# Altium PCB Copy of proyecto final.PcbDoc
Units mm, origin at the board's own origin, x right, y up, seen from the top; angles counter-clockwise.
Board outline 152.4 x 101.6 mm, 2 copper layers (Top Layer, Bottom Layer); 81 components, 51 nets, 294 pads, 0 vias.
Unrouted connection lines stored in the file: 128.
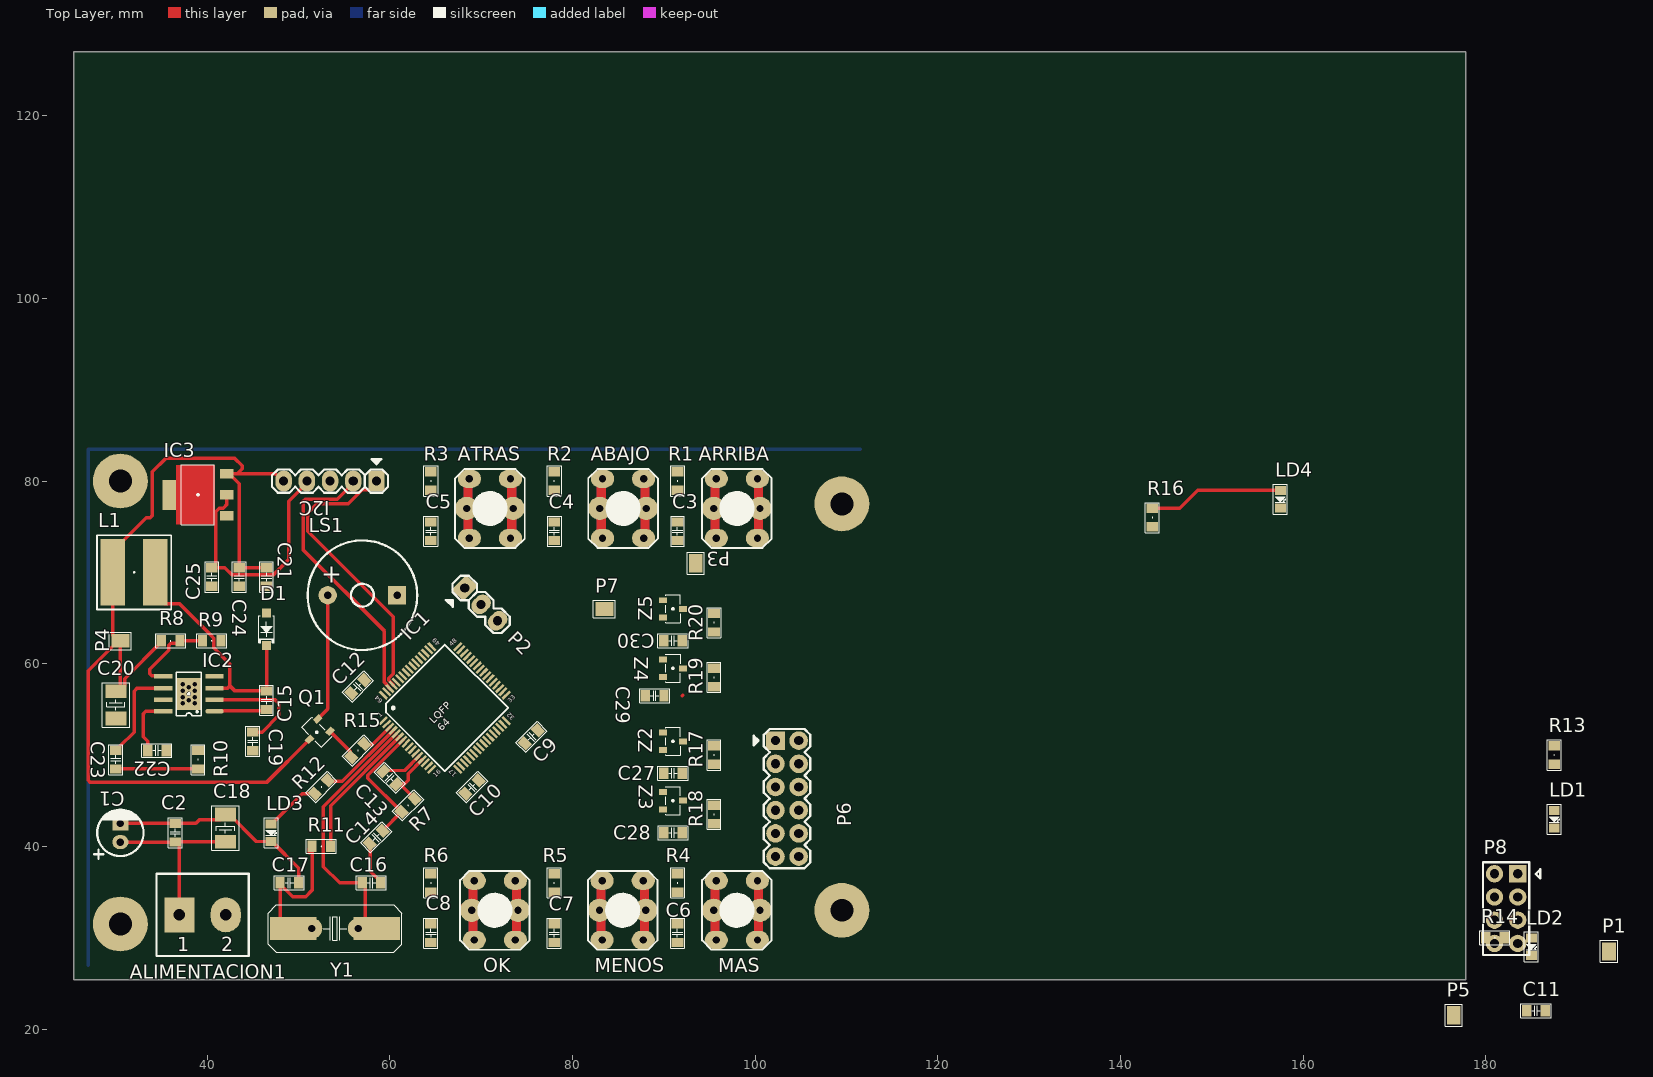
[diagram p0: Top Layer view]
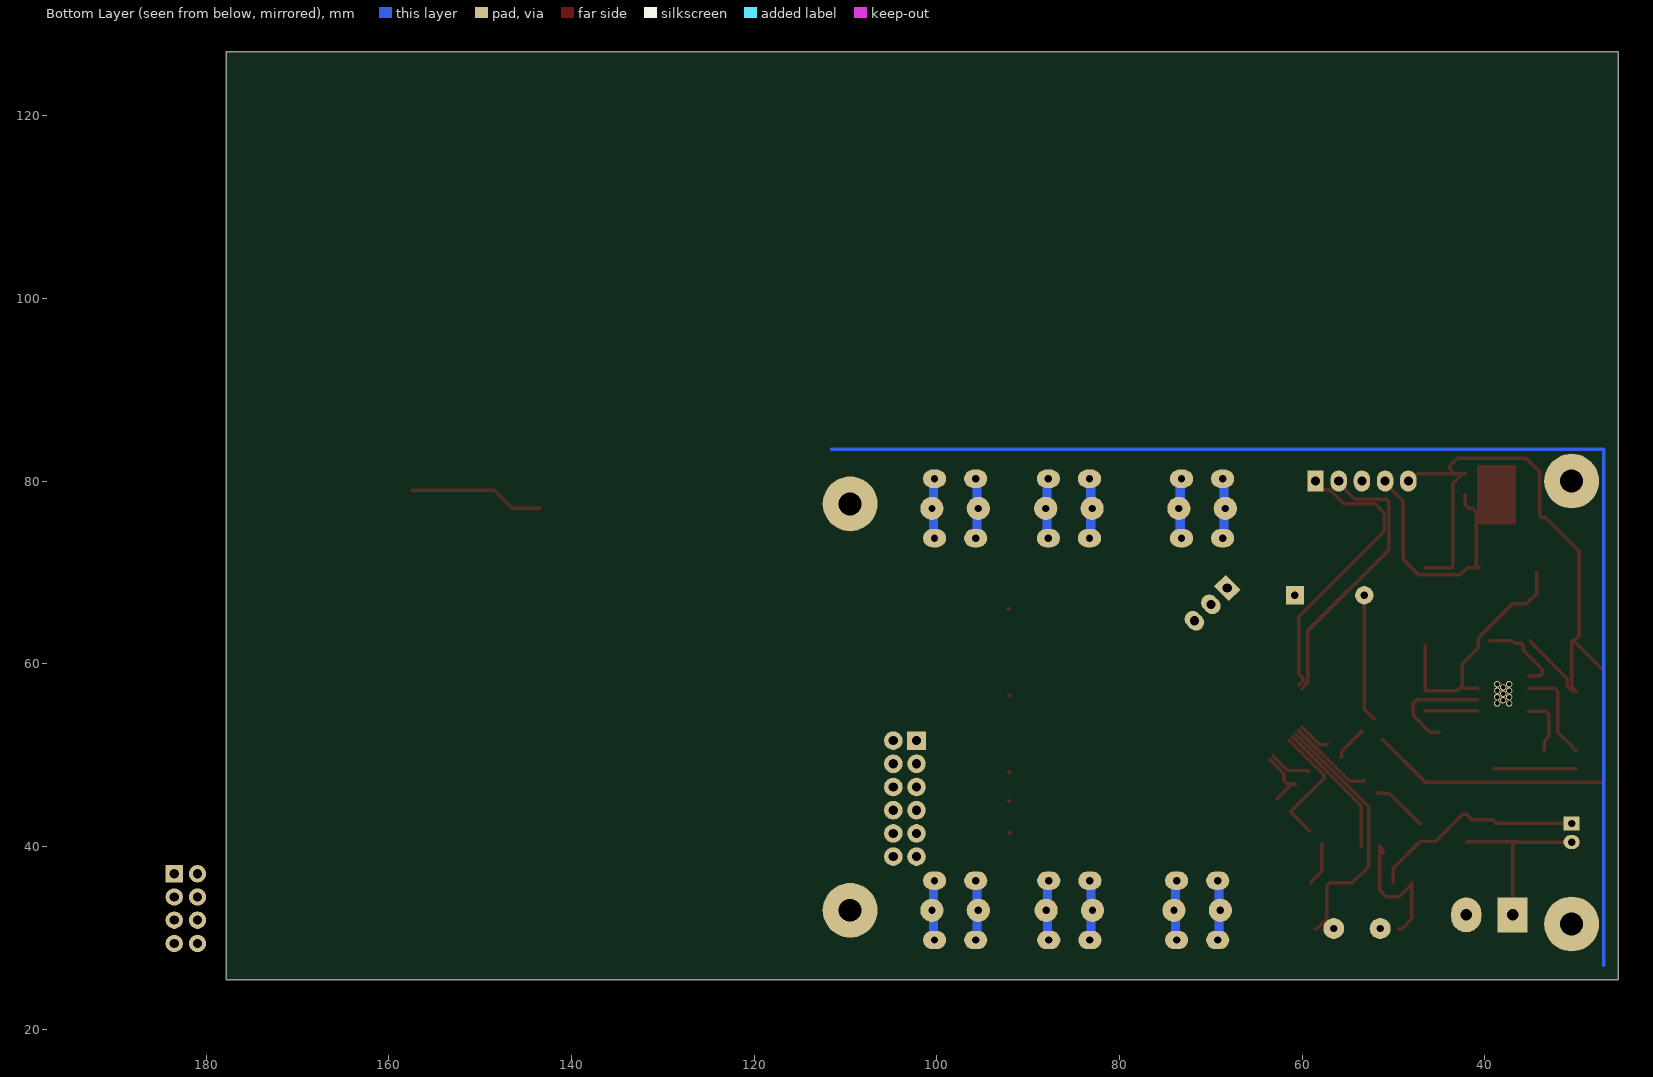
[diagram p1: Bottom Layer view, seen from below]

## Layer stack, top to bottom
Top Solder: solder mask 0.0102, Solder Resist, Dk 3.5
Top Layer: signal copper 0.0356
Dielectric 1: dielectric 0.32, FR-4, Dk 4.8
Bottom Layer: signal copper 0.0356
Bottom Solder: solder mask 0.0102, Solder Resist, Dk 3.5

## Board outline
25.4,25.4 177.8,25.4 177.8,127 25.4,127

## Design rules (kind name [scope] priority, off if disabled: settings)
Clearance [All] p1: gap=0.102 ignorepadtopadclearanceinfootprint=FALSE
PolygonConnect [All] p1: connectstyle=Relief reliefconductorwidth=0.254 reliefentries=4 polygonreliefangle="90 Angle" airgapwidth=0.254
RoomDefinition "proyecto final" [InComponentClass('proyecto final')] p1: confinementstyle=ConfineIn formatcopy=TRUE lockcomponents=FALSE outline 178.943,26.924 262.509,26.924 262.509,42.672 178.943,42.672
RoutingVias [All] p1: holewidth=0.711 width=1.27 viastyle="Through Hole" minholewidth=0.711 minwidth=1.27 maxholewidth=0.711 maxwidth=1.27
SolderMaskExpansion [All] p1: expansion=0.102 istentingtop=FALSE
Width [All] p1: maxlimit=0.381 minlimit=0.254 preferedwidth=0.381 minimp=50.000000 maximp=50.000000 favimp=50.000000
30 further rules are at their usual default settings.

## Components (designator, comment, footprint, x,y, rotation, side; value= is the part's Value field where it differs from the comment)
ABAJO "Switch PCB" "TAC SWITCH 6X6 (5MM)" 85.54,77 r0 top
ALIMENTACION1 "Conector 2 Vias" "CON 2" 39.5,32.5 r0 top
ARRIBA "Switch PCB" "TAC SWITCH 6X6 (5MM)" 98,77 r0 top
ATRAS "Switch PCB" "TAC SWITCH 6X6 (5MM)" 70.96,77 r0 top
C1 "47uF x6.3v" "CAP Pitch 80 - 5x11" 30.5,41.484 r90 top
C2 "__ nF" C-0805 36.5,41.5 r270 top
C3 "100 nF" C-0805 91.5,74.5 r90 top
C4 "100 nF" C-0805 78,74.5 r90 top
C5 "100 nF" C-0805 64.5,74.5 r90 top
C6 "100 nF" C-0805 91.5,30.5 r90 top
C7 "100 nF" C-0805 78,30.5 r90 top
C8 "100 nF" C-0805 64.5,30.5 r90 top
C9 "100 nF" C-0805 75.5,52 r45 top
C10 "100 nF" C-0805 69,46.5 r45 top
C11 "100 nF" C-0805 185.5,22 r0 top
C12 "100 nF" C-0805 56.5,57.5 r225 top
C13 "100 nF" C-0805 60,47.5 r315 top
C14 "100 nF" C-0805 58.5,41 r45 top
C15 "10nF" C-0805 46.5,56 r90 top
C16 "30 pF" C-0805 57.984,36 r0 top
C17 "30 pF" C-0805 49,36 r0 top
C18 "100uF x 25v" C-CASE-B 42,42 r270 top
C19 "100nF" C-0805 45,51.5 r90 top
C20 "100uF x 6.3v" C-CASE-B 30,55.5 r90 top
C21 "100nF" C-0805 46.5,69.5 r90 top
C22 "100nF" C-0805 34.5,50.5 r180 top
C23 "10nF" C-0805 30,49.5 r90 top
C24 "100 uF" C-0805 43.5,69.5 r270 top
C25 "10 uF" C-0805 40.5,69.5 r270 top
C27 "100 nF" C-0805 91,48 r0 top
C28 "100 nF" C-0805 91,41.5 r0 top
C29 "100 nF" C-0805 89,56.5 r0 top
C30 "100 nF" C-0805 91,62.5 r0 top
D1 "SS34FA" SOD-123 46.5,63.778 r90 top
I2C "Conector 5 Vias" HEADER-V-5 58.54,80 r180 top
IC1 "STM32F103RCT6" LQFP-64 66.025,55.157 r45 top
IC2 "MP1593" SOIC-8E 38,56.702 r270 top
IC3 "LM1117MPX-" "SOT-223 TERMICO" 39,78.5 r90 top
L1 "Inductor" "INDUCTOR CDRH6D28NP-100NC" 32,70 r180 top value=100mH
LD1 "LED" LD-0805-AZUL 187.5,42.965 r90 top
LD2 "LED" LD-0805-AZUL 185,29 r90 top
LD3 "LED" LD-0805-AZUL 47,41.5 r90 top
LD4 "LED" LD-0805-AZUL 157.5,78 r90 top
LS1 "Buzzer" BUZZER 57,67.5 r0 top
MAS "Switch PCB" "TAC SWITCH 6X6 (5MM)" 98,33 r0 top
MENOS "Switch PCB" "TAC SWITCH 6X6 (5MM)" 85.5,33 r0 top
OK "Switch PCB" "TAC SWITCH 6X6 (5MM)" 71.5,33 r0 top
P1 "Conector 1 Via" "PAD 1.5x2.5mm" 193.5,28.5 r0 top
P2 "Conector 3 Vias" HEADER-V-3 68.204,68.296 r315 top
P3 "Conector 1 Via" "PAD 1.5x2.5mm" 93.5,71 r180 top
P4 "Conector 1 Via" "PAD 1.5x2.5mm" 30.5,62.5 r90 top
P5 "Conector 1 Via" "PAD 1.5x2.5mm" 176.5,21.5 r0 top
P6 "Header 5X2" "HEADER 6x2" 103.5,46.5 r270 top
P7 "Conector 1 Via" "PAD 1.5x2.5mm" 83.5,66 r90 top
P8 "Header 4X2" "HEADER IDC 8 FEMALE" 183.5,37 r90 top
Q1 "BC817" SOT-23 52,52.5 r45 top
R1 "10K" R-0805 91.5,80 r90 top
R2 "10K" R-0805 78,80 r90 top
R3 "10K" R-0805 64.5,80 r90 top
R4 "10K" R-0805 91.5,36 r90 top
R5 "10K" R-0805 78,36 r90 top
R6 "10K" R-0805 64.5,36 r90 top
R7 "10k" R-0805 62,44.5 r45 top
R8 "47k" R-0805 36,62.5 r180 top
R9 "15k" R-0805 40.5,62.5 r180 top
R10 "6.8k" R-0805 39,49.5 r270 top
R11 "22K" R-0805 52.5,40 r0 top
R12 "220" R-0805 52.5,46.5 r225 top
R13 "220" R-0805 187.5,50 r90 top
R14 "220" R-0805 181,30 r0 top
R15 "3.3K" R-0805 56.5,50.5 r225 top
R16 "220" R-0805 143.5,76 r90 top
R17 "Resistencia" R-0805 95.5,50 r270 top
R18 "Resistencia" R-0805 95.5,43.5 r270 top
R19 "Resistencia" R-0805 95.5,58.5 r90 top
R20 "Resistencia" R-0805 95.5,64.5 r90 top
Y1 "XTAL" "CRISTAL COMBINADO" 54,31 r0 top
Z2 "Zener" SOT-23 91,51.5 r180 top
Z3 "Zener" SOT-23 91,45 r180 top
Z4 "Zener" SOT-23 91,59.5 r180 top
Z5 "Zener" SOT-23 91,66 r180 top

## Footprints (in the part's own frame and the unit in brackets; to place one, negate y for a bottom-side part, rotate by r counter-clockwise, add the part's x,y. Pads: shape width x height; smd on the part's side, far side on the other; paste and mask are expansions set on the pad)
BUZZER [mm]
  round 2 hole 0.8: 1(-3.8,0)
  rect 2x2 hole 0.8: 2(3.8,0)
  silkscreen extent -6,-6 6,6, body extent -6,-5.99 6,5.99, height 7.51
C-0805 [mil]
  rect 40x50 smd: 1(-40,0) 2(40,0)
  silkscreen extent -65,-30 65,30, body extent -39,-25 39,25, height 31
C-CASE-B [mm]
  rect 1.5x2.3 smd: 1(1.5,0) 2(-1.5,0)
  silkscreen extent -2.44,-1.5 2.44,1.5, body extent -2.5,-1.5 2.5,1.5, height 2.11
"CAP Pitch 80 - 5x11" [mil]
  oval 60x70 hole 31.5: 1(-40,0)
  rect 60x70 hole 31.5: 2(40,0)
  silkscreen extent -112,-100 100,114, body extent -97,-98 99,99, height 438
"CON 2" [mm]
  rect 3.302x3.81 hole 1.25: 1(-2.54,0)
  oval 3.302x3.81 hole 1.25: 2(2.54,0)
  silkscreen extent -5.04,-4.5 5.04,4.5, body extent -5.05,-4.5 4.95,4.5, height 15.33
"CRISTAL COMBINADO" [mil]
  rect 200x100 smd: 1(-180,0) 2(180,0)
  round 90 hole 31.5: 1(-100,0) 2(100,0)
  silkscreen extent -288,-102 288,102, body extent -252,-98 252,98, height 178
"HEADER 6x2" [mil]
  rect 80x80 hole 39.37: 1(-200,-50)
  round 80 hole 39.37: 2(-200,50) 3(-100,-50) 4(-100,50) 5(0,-50) 6(0,50) 7(100,-50) 8(100,50) 9(200,-50) 10(200,50) 11(300,-50) 12(300,50)
  silkscreen extent -250,-144 350,100, body extent -250,-99 350,99, height 346
"HEADER IDC 8 FEMALE" [mm]
  rect 1.9x1.9 hole 1: 1(0,0)
  round 1.9 hole 1: 2(0,2.54) 3(-2.54,0) 4(-2.54,2.54) 5(-5.08,0) 6(-5.08,2.54) 7(-7.62,0) 8(-7.62,2.54)
  silkscreen extent -8.89,-2.47 1.27,3.81, body extent -8.92,-1.23 1.24,3.77, height 8.5
HEADER-V-3 [mm]
  rect 1.8x2.3 hole 1: 1(0,0)
  oval 1.8x2.3 hole 1: 2(2.54,0) 3(5.08,0)
  silkscreen extent -1.27,-2.39 6.35,1.27, body extent -1.27,-1.24 6.35,1.24, height 8.79
HEADER-V-5 [mm]
  rect 1.8x2.3 hole 1: 1(0,0)
  oval 1.8x2.3 hole 1: 2(2.54,0) 3(5.08,0) 4(7.62,0) 5(10.16,0)
  silkscreen extent -1.27,-2.39 11.43,1.27, body extent -1.27,-1.24 11.43,1.24, height 8.79
"INDUCTOR CDRH6D28NP-100NC" [mm] "Fixed Inductors 10uH 1.7A"
  rect 2.65x7.3 smd: 1(-2.325,0) 2(2.325,0)
  silkscreen extent -4.06,-4.06 4.06,4.06, body extent -3.4,-3.3 3.3,3.4, height 2.9
LD-0805-AZUL [mm]
  rect 1x1.2 smd: 1(0.965,0) 2(-0.965,0)
  silkscreen extent -1.63,-0.76 1.63,0.76, body extent -1.01,-0.62 1.01,0.63, height 1.1
LQFP-64 [mm]
  oct 1.2x0.3 smd paste-0.03 mask+0.05: 1(-5.75,3.765)
  rect 1.2x0.3 smd paste-0.03 mask+0.05: 2(-5.75,3.265) 3(-5.75,2.765) 4(-5.75,2.265) 5(-5.75,1.765) 6(-5.75,1.265) 7(-5.75,0.765) 8(-5.75,0.265) 9(-5.75,-0.235) 10(-5.75,-0.735) 11(-5.75,-1.235) 12(-5.75,-1.735) 13(-5.75,-2.235) 14(-5.75,-2.735) 15(-5.75,-3.235) 16(-5.75,-3.735) 33(5.75,-3.75) 34(5.75,-3.25) 35(5.75,-2.75) 36(5.75,-2.25) 37(5.75,-1.75) 38(5.75,-1.25) 39(5.75,-0.75) 40(5.75,-0.25) 41(5.75,0.25) 42(5.75,0.75) 43(5.75,1.25) 44(5.75,1.75) 45(5.75,2.25) 46(5.75,2.75) 47(5.75,3.25) 48(5.75,3.75)
  rect 0.3x1.2 smd paste-0.03 mask+0.05: 17(-3.75,-5.75) 18(-3.25,-5.75) 19(-2.75,-5.75) 20(-2.25,-5.75) 21(-1.75,-5.75) 22(-1.25,-5.75) 23(-0.75,-5.75) 24(-0.25,-5.75) 25(0.25,-5.75) 26(0.75,-5.75) 27(1.25,-5.75) 28(1.75,-5.75) 29(2.25,-5.75) 30(2.75,-5.75) 31(3.25,-5.75) 32(3.75,-5.75) 49(3.75,5.75) 50(3.25,5.75) 51(2.75,5.75) 52(2.25,5.75) 53(1.75,5.75) 54(1.25,5.75) 55(0.75,5.75) 56(0.25,5.75) 57(-0.25,5.75) 58(-0.75,5.75) 59(-1.25,5.75) 60(-1.75,5.75) 61(-2.25,5.75) 62(-2.75,5.75) 63(-3.25,5.75) 64(-3.75,5.75)
  silkscreen extent -4.9,-4.9 4.9,4.9, body extent -6,-6 6,6, height 1.6
"PAD 1.5x2.5mm" [mm]
  rect 1.5x2 smd paste+0: 1(0,0)
  silkscreen extent -0.95,-1.2 0.95,1.2
R-0805 [mil]
  rect 40x50 smd: 1(-40,0) 2(40,0)
  silkscreen extent -65,-30 65,30, body extent -39,-25 39,25, height 24
SOD-123 [mm]
  rect 1x1 smd: 1(1.778,0) 2(-1.778,0)
  silkscreen extent -1.5,-0.86 1.5,0.86, body extent -1.93,-0.86 1.93,0.84, height 1.42
SOIC-8E [mm]
  oct 0.5x2 smd mask+0.025: 1(1.905,2.794)
  rect 0.5x2 smd mask+0.025: 2(0.635,2.794) 3(-0.635,2.794) 4(-1.905,2.794) 5(-1.905,-2.794) 6(-0.635,-2.794) 7(0.635,-2.794) 8(1.905,-2.794)
  round 0.7 hole 0.5: 9(-1.053,0.655) 9(-1.053,-0.655) 9(-0.702,0) 9(-0.351,-0.655) 9(-0.351,0.655) 9(0,0) 9(0.35,-0.655) 9(0.351,0.655) 9(0.702,0) 9(1.053,0.655) 9(1.053,-0.655)
  rect 3.505x2.616 smd mask+0.025: 9(0,0)
  silkscreen extent -2.36,-1.39 2.41,1.36, body extent -2.44,-3.01 2.46,2.99, height 1.75
SOT-23 [mm]
  rect 0.9x0.65 smd: 1(1.1,-0.95) 2(1.1,0.95) 3(-1.1,0)
  silkscreen extent -0.8,-1.53 0.8,1.54, body extent -1.31,-1.48 1.33,1.52, height 1.08
"SOT-223 TERMICO" [mm]
  rect 1x1.5 smd: 1(-2.3,-3.15) 2(0,-3.15) 3(2.3,-3.15)
  rect 3.3x1.5 smd: 2(-0.014,3.15)
  Top Layer region: -3.25,-1.875 3.25,-1.875 3.25,2.425 -3.25,2.425
  silkscreen extent -3.27,-1.8 3.29,1.83, body extent -3.25,-3.5 3.25,3.5, height 1.64
"TAC SWITCH 6X6 (5MM)" [mm]
  round 2.54 hole 0.8: 1(-2.54,0) 2(2.54,0)
  oval 2.54x2 hole 0.8: 1(-2.25,-3.25) 1(-2.25,3.25) 2(2.25,-3.25) 2(2.25,3.25)
  Multi-Layer lines w1: -2.388,-3.429 -2.388,-3.25 -2.388,0 -2.388,3.25 -2.388,3.429 ; 2.388,-3.429 2.388,-3.25 2.388,0 2.388,3.25 2.388,3.429
  silkscreen extent -3.81,-4.32 3.81,4.32, body extent -3,-3.87 3.03,3.87, height 5.52

## Part data
ALIMENTACION1: library part "Header 2", "Header, 2-Pin", LatestRevisionDate=17-Jul-2002, LatestRevisionNote="Re-released for DXP Platform.", Publisher="Altium Limited"
C1 C18 C20: library part "Capacitor Polarizado", "Capacitor Polarizado (Radial)", LatestRevisionDate=17-Jul-2002, LatestRevisionNote="Re-released for DXP Platform.", PackageReference=RB7.6-15, Published=8-Jun-2000, Publisher="Altium Limited"
C2 C3 C4 C5 C6 C7 C8 C9 C10 C11 C12 C13 C14 C15 C16 C17 C19 C21 C22 C23 C24 C25 C27 C28 C29 C30: library part "Capacitor NP", "Capacitor No Polarizado (Axial)"
D1: library part "Diodo Schottky", "Diodo Schottky"
I2C: library part "Header 5", "Header, 5-Pin", LatestRevisionDate=17-Jul-2002, LatestRevisionNote="Re-released for DXP Platform.", Publisher="Altium Limited"
IC1: "CPU M3 72MHz / 256k Flash / 2 ADC / 2 I2C / 5 USART", Supplier Part Number 1=BC-5550H-01, Supplier 1=Avnet
IC2: "Step-Down Converter 3A, 28V, 385kHz"
LD1 LD2 LD3 LD4: "Diodo LED"
LS1: "Magnetic Transducer Buzzer", LatestRevisionDate=17-Jul-2002, LatestRevisionNote="Re-released for DXP Platform.", PackageReference=PIN2, Published=24-Mar-1999, Publisher="Altium Limited"
P1 P3 P4 P5 P7: library part "Header 1", "Header, 1-Pin"
P2: library part "Header 3", "Header, 3-Pin", LatestRevisionDate=17-Jul-2002, LatestRevisionNote="Re-released for DXP Platform.", Publisher="Altium Limited"
P6: library part "Header 6X2", "Header, 5-Pin, Dual row", LatestRevisionDate=17-Jul-2002, LatestRevisionNote="Re-released for DXP Platform.", Publisher="Altium Limited"
P8: "Header, 4-Pin, Dual row", LatestRevisionDate=17-Jul-2002, LatestRevisionNote="Re-released for DXP Platform.", Publisher="Altium Limited"
Q1: "45 V, 500 mA NPN general-purpose transistors"
R1 R2 R3 R4 R5 R6 R7 R8 R9 R10 R11 R12 R13 R14 R15: library part Resistencia, "Resistencia"
R16: library part Resistencia
Y1: "Crystal Oscillator", LatestRevisionDate=17-Jul-2002, LatestRevisionNote="Re-released for DXP Platform.", PackageReference=R38, Published=8-Jun-2000, Publisher="Altium Limited"
Z2 Z3 Z4 Z5: library part "Diodo Zener SOT-23", "Zener Diode SOT-23"
ABAJO ARRIBA ATRAS MAS MENOS OK: LatestRevisionDate=17-Jul-2002, LatestRevisionNote="Re-released for DXP Platform.", PackageReference=SPST-2, Published=24-Mar-1999, Publisher="Altium Limited"
L1: Code_IEC=1005, Code_JEITA=0402, LatestRevisionDate=17-Jul-2002, LatestRevisionNote="Re-released for DXP Platform.", PackageReference=0402-A, Published=8-Jun-2000, Publisher="Altium Limited"

## Free pads (board coordinates)
  round 6 hole 2.5: 7(30.5,80) 8(30.5,31.5) 11(109.5,77.5) 12(109.5,33)

## Nets (pads, with @x,y where several pads share a name; then routed paths per layer and width w, separated by ;. In a path a pad name is that pad's centre, name@x,y a point inside that pad or via, vN(x,y) a via of type N, cw(c..) or ccw(c..) an arc to the next point about the centre after c; other vN are vias at no path point)
+3.3V: ABAJO.2 ALIMENTACION1.2 ARRIBA.2 ATRAS.2 C1.2 C2.1 C3.1 C4.1 C5.1 C6.1 C7.1 C8.1 C9.1 C9.2 C10.1 C10.2 C11.1 C11.2 C12.1 C12.2 C13.1 C13.2 C14.1 C16.2 C17.2 C18.2 C19.1 C20.2 C21.1 C22.1 C24.2 C25.1 C25.2 C27.1 C28.1 C29.1 C30.1 D1.1 I2C.3 I2C.4 IC1.12 IC1.13 IC1.18 IC1.19 IC1.31 IC1.32 IC1.47 IC1.48 IC1.60 IC1.63 IC1.64 IC2.4 IC3.1 IC3.2 LD1.2 LD2.2 LD3.2 LD4.2 LS1.2 MAS.2 MENOS.2 OK.2 P2.1 P5.1 P6.8 P8.2 P8.8 R1.2 R2.2 R3.2 R4.2 R5.2 R6.2 R7.2 R9.1 R10.1 R13.2 Z2.1 Z3.1 Z4.1 Z5.1 | length 68.3
  Top Layer w0.381: C1.2@30.484,42.516 C2.1 38.78,42.516 39.205,42.941 41.44,42.941 C18.2 42.4,43.5 45.365,40.535 LD3.2 47.1,40.535 50.016,37.619 C17.2 ; IC3.2@42.15,78.5 42.15,77.428 41.765,77.043 41.33,77.043 40.944,76.658 40.944,70.834 40.627,70.516 41.944,70.516 42.744,69.716 47.256,69.716 48.952,71.412 48.952,77.782 50.92,79.75 I2C.4 ; ALIMENTACION1.2@42.54,32.5 ALIMENTACION1.2@42.54,32.754 ; C14.1 57.871,40.192 57.871,37.256 59,36.127 C16.2 ; C13.1 59.371,48.308 61.63,48.308 IC1.12 ; R7.2 61.155,46.782 C13.2 60.808,46.871 61.648,46.871 62,47.223 62,47.971 IC1.13
+5V: C20.1 C21.2 C24.1 I2C.5 IC3.3 L1.2 P4.1 P6.2 P8.4 Q1.3 R8.2 | length 109.6
  Top Layer w0.381: R8.2 34.984,62.373 30.959,58.348 30.959,57.56 30.4,57 C20.1 30.5,57.5 P4.1 P4.1@30.25,62.5 ; IC3.3 IC3.3@42.4,80.8 ; C21.2 C24.1 43.5,79.7 IC3.3@42.4,80.8 ; I2C.5 48.246,80 47.446,80.8 43.3,80.8 ; Q1.3 46.5,47 27.223,47 27,47.223 27,59.25 P4.1@30.25,62.5 ; P4.1@30.25,62.5 29.675,63.075 L1.2 29.675,72.325 33.35,76 33.777,76 34,76.223 34,81 35.5,82.5 43,82.5 43.842,81.658 43.842,81.342 43.3,80.8 ; IC3.3@42.4,80.8 43.3,80.8
+14V: ALIMENTACION1.1 C1.1 C2.2 C18.1 C19.2 IC2.2 | length 31.8
  Top Layer w0.381: C1.1 30.508,40.476 36.492,40.476 C2.2 C2.2@36.627,40.484 ; ALIMENTACION1.1 36.96,40.151 C2.2@36.627,40.484 ; IC2.2 47.433,56.067 47.842,55.658 47.842,54.342 46.016,52.516 C19.2 ; C18.1 41.984,40.484 C2.2@36.627,40.484
Hf: IC1.16 P6.6
Ho1: IC1.8 P6.3
Ho2: IC1.17 P6.7
Ho3: IC1.15 P6.4
i2C_SCL: I2C.1 IC1.61 | length 32.3
  Top Layer w0.381: I2C.1 58.54,79.75 57.831,79.04 56.976,79.04 55.453,77.517 52.017,77.517 51,76.5 51,74.5 60.368,65.132 60.368,58.893 59.899,58.424 59.899,58.182 59.988,58.094 59.988,58.069 60.368,57.689 IC1.61
i2C_SDA: I2C.2 IC1.62 | length 31
  Top Layer w0.381: I2C.2 56,79.75 54.25,78 50.723,78 50.5,77.777 50.5,72.5 59.417,63.583 59.417,57.958 59.634,57.74 59.634,57.716 59.754,57.596 59.754,57.539 IC1.62
"I/O 1": IC1.36 P8.6
"I/O 2": IC1.35 P8.1
"I/O 3": IC1.34 P8.3
"I/O 4": IC1.33 P6.11
"I/O 5": P8.7 R18.1
"I/O 6": P8.5 R17.1
"I/O 7": P6.10 R19.1
"I/O 8": P6.9 R20.1
Ib: IC1.3 R15.1 | length 3.6
  Top Layer w0.381: R15.1 57.308,51.129 58.087,51.129 IC1.3
"Input 1": C28.2 IC1.29 R18.2 Z3.3 | length 0.2
  Top Layer w0.381: C28.2@92.016,41.373 C28.2 C28.2@92.058,41.542 ; Z3.3@92.058,44.958 Z3.3
"Input 2": C27.2 IC1.28 R17.2 Z2.3 | length 0.2
  Top Layer w0.381: C27.2 92.058,48.042 C27.2@92.058,48.169
"Input 3": C29.2 IC1.27 R19.2 Z4.3 | length 0.1
  Top Layer w0.381: 92.016,56.5 92.058,56.542
Lo1: IC1.10 P6.5
Lo2: IC1.40 P6.1
NetC14_2: C14.2 IC1.7 R7.1 | length 13.9
  Top Layer w0.381: C14.2 R7.1 57.583,47.48 57.583,47.796 IC1.7
NetC15_1: C15.1 IC2.1 | length 5.7
  Top Layer w0.381: IC2.1 40.84,54.843 C15.1@46.5,54.843
NetC15_2: C15.2 D1.2 IC2.3 L1.1 | length 27.7
  Top Layer w0.381: L1.1 34.325,67.675 35.459,66.54 37,66.54 40.5,63.04 40.5,63 40.716,62.784 40.716,61.744 42.5,59.96 42.5,57.56 ; IC2.3 42.277,57.337 42.5,57.56 ; D1.2 C15.2 43.044,57.016 42.5,57.56
NetC16_1: C16.1 IC1.5 P1.1 Y1.2 | length 28.6
  Top Layer w0.381: Y1.2@58.572,31 58.368,31 57.288,32.079 57.288,35.332 57.286,35.335 57.286,35.682 C16.1 54.5,36 52.716,37.784 52.716,44.343 IC1.5
NetC17_1: C17.1 R11.1 Y1.1 | length 15.8
  Top Layer w0.381: C17.1 C17.1@47.984,35.873 ; Y1.1@49.428,31 49.064,31 47.984,32.079 C17.1@47.984,35.873 ; 51.166,39.309 51.166,39.683 R11.1 51.484,35.207 50.777,34.5 49.357,34.5 C17.1@47.984,35.873
NetC22_2: C22.2 IC2.8 | length 6.5
  Top Layer w0.381: C22.2 33.484,51.516 33,52 33,54.5 33.297,54.797 IC2.8
NetC23_1: C23.1 R10.2 | length 9
  Top Layer w0.381: C23.1 R10.2
NetC23_2: C23.2 IC2.6 | length 10.7
  Top Layer w0.381: C23.2 30.127,50.516 30.445,50.834 30.445,50.961 32,52.516 32,57 32.337,57.337 IC2.6
NetIC1_4: IC1.4 R12.1 | length 9.5
  Top Layer w0.381: R12.1 53.308,47.129 54.794,47.129 IC1.4
NetIC1_6: IC1.6 P3.1 R11.2 | length 15.1
  Top Layer w0.381: R11.2 53.516,44.436 IC1.6
NetIC1_30: IC1.30 R16.1
NetIC1_57: IC1.57 R14.1
NetIC2_5: IC2.5 R8.1 R9.2 | length 9.5
  Top Layer w0.381: IC2.5 35.146,58.667 33.929,58.667 33.705,58.89 33.705,59.405 35.784,61.484 35.784,62 36.007,62.223 36.739,62.223 R8.1 R9.2
NetLD1_1: LD1.1 R13.1
NetLD2_1: LD2.1 R14.2
NetLD3_1: LD3.1 R12.2 | length 6.2
  Top Layer w0.381: LD3.1 47.1,42.465 50.416,45.782 51.153,45.782 51.243,45.871 51.692,45.871 R12.2
NetLD4_1: LD4.1 R16.2 | length 14.8
  Top Layer w0.381: R16.2 146.48,77.016 148.464,79 157.465,79 LD4.1
NetLS1_1: LS1.1 Q1.2 | length 14
  Top Layer w0.381: Q1.2 53.2,55.044 LS1.1
NetQ1_1: Q1.1 R15.2 | length 3.8
  Top Layer w0.381: Q1.1 55.692,50.364 55.692,49.871 R15.2
PBin_ABAJO: ABAJO.1 C4.2 IC1.45 R2.1
PBin_ARRIBA: ARRIBA.1 C3.2 IC1.44 R1.1
PBin_ATRAS: ATRAS.1 C5.2 IC1.20 R3.1
PBin_MAS: C6.2 IC1.22 MAS.1 R4.1
PBin_MENOS: C7.2 IC1.41 MENOS.1 R5.1
PBin_OK: C8.2 IC1.14 OK.1 R6.1
SWCLK: IC1.49 P2.2
SWDIO: IC1.46 P2.3
Vshunt: C30.2 IC1.26 P7.1 R20.2 Z5.3 | length 0.1
  Top Layer w0.381: Z5.3 Z5.3@92.225,66
pads on no net: IC1.1 IC1.2 IC1.9 IC1.11 IC1.21 IC1.23 IC1.24 IC1.25 IC1.37 IC1.38 IC1.39 IC1.42 IC1.43 IC1.50 IC1.51 IC1.52 IC1.53 IC1.54 IC1.55 IC1.56 IC1.58 IC1.59 IC2.7 IC2.9 P6.12 Z2.2 Z3.2 Z4.2 Z5.2
copper on no net: | length 141
  Top Layer w0.381: 68,33.54 68.024,33.516
  Bottom Layer w0.381: 27,27 27,83.5 111.5,83.5

## Text inside footprints (layer, text, board x,y; h text height)
ALIMENTACION1: Top Overlay "2" at 41.532,28.538 h1.52; Top Overlay "1" at 36.706,28.538 h1.52
IC1: Top Overlay "64" at 59.308,55.935 h0.5 r135; Top Overlay "49" at 65.601,62.228 h0.5 r135; Top Overlay "48" at 66.803,61.874 h0.5 r45; Top Overlay "33" at 73.167,55.652 h0.5 r45; Top Overlay "32" at 73.733,54.096 h0.5 r135; Top Overlay "17" at 67.369,47.874 h0.5 r135; Top Overlay "16" at 65.035,47.52 h0.5 r45; Top Overlay "1" at 58.954,54.096 h0.5 r45; Top Overlay "LQFP / 64" at 65.672,52.541 h0.8 r45
LS1: Top Overlay "+" at 52.504,68.846 h2